# KiCad board frankenso.kicad_pcb (continued)
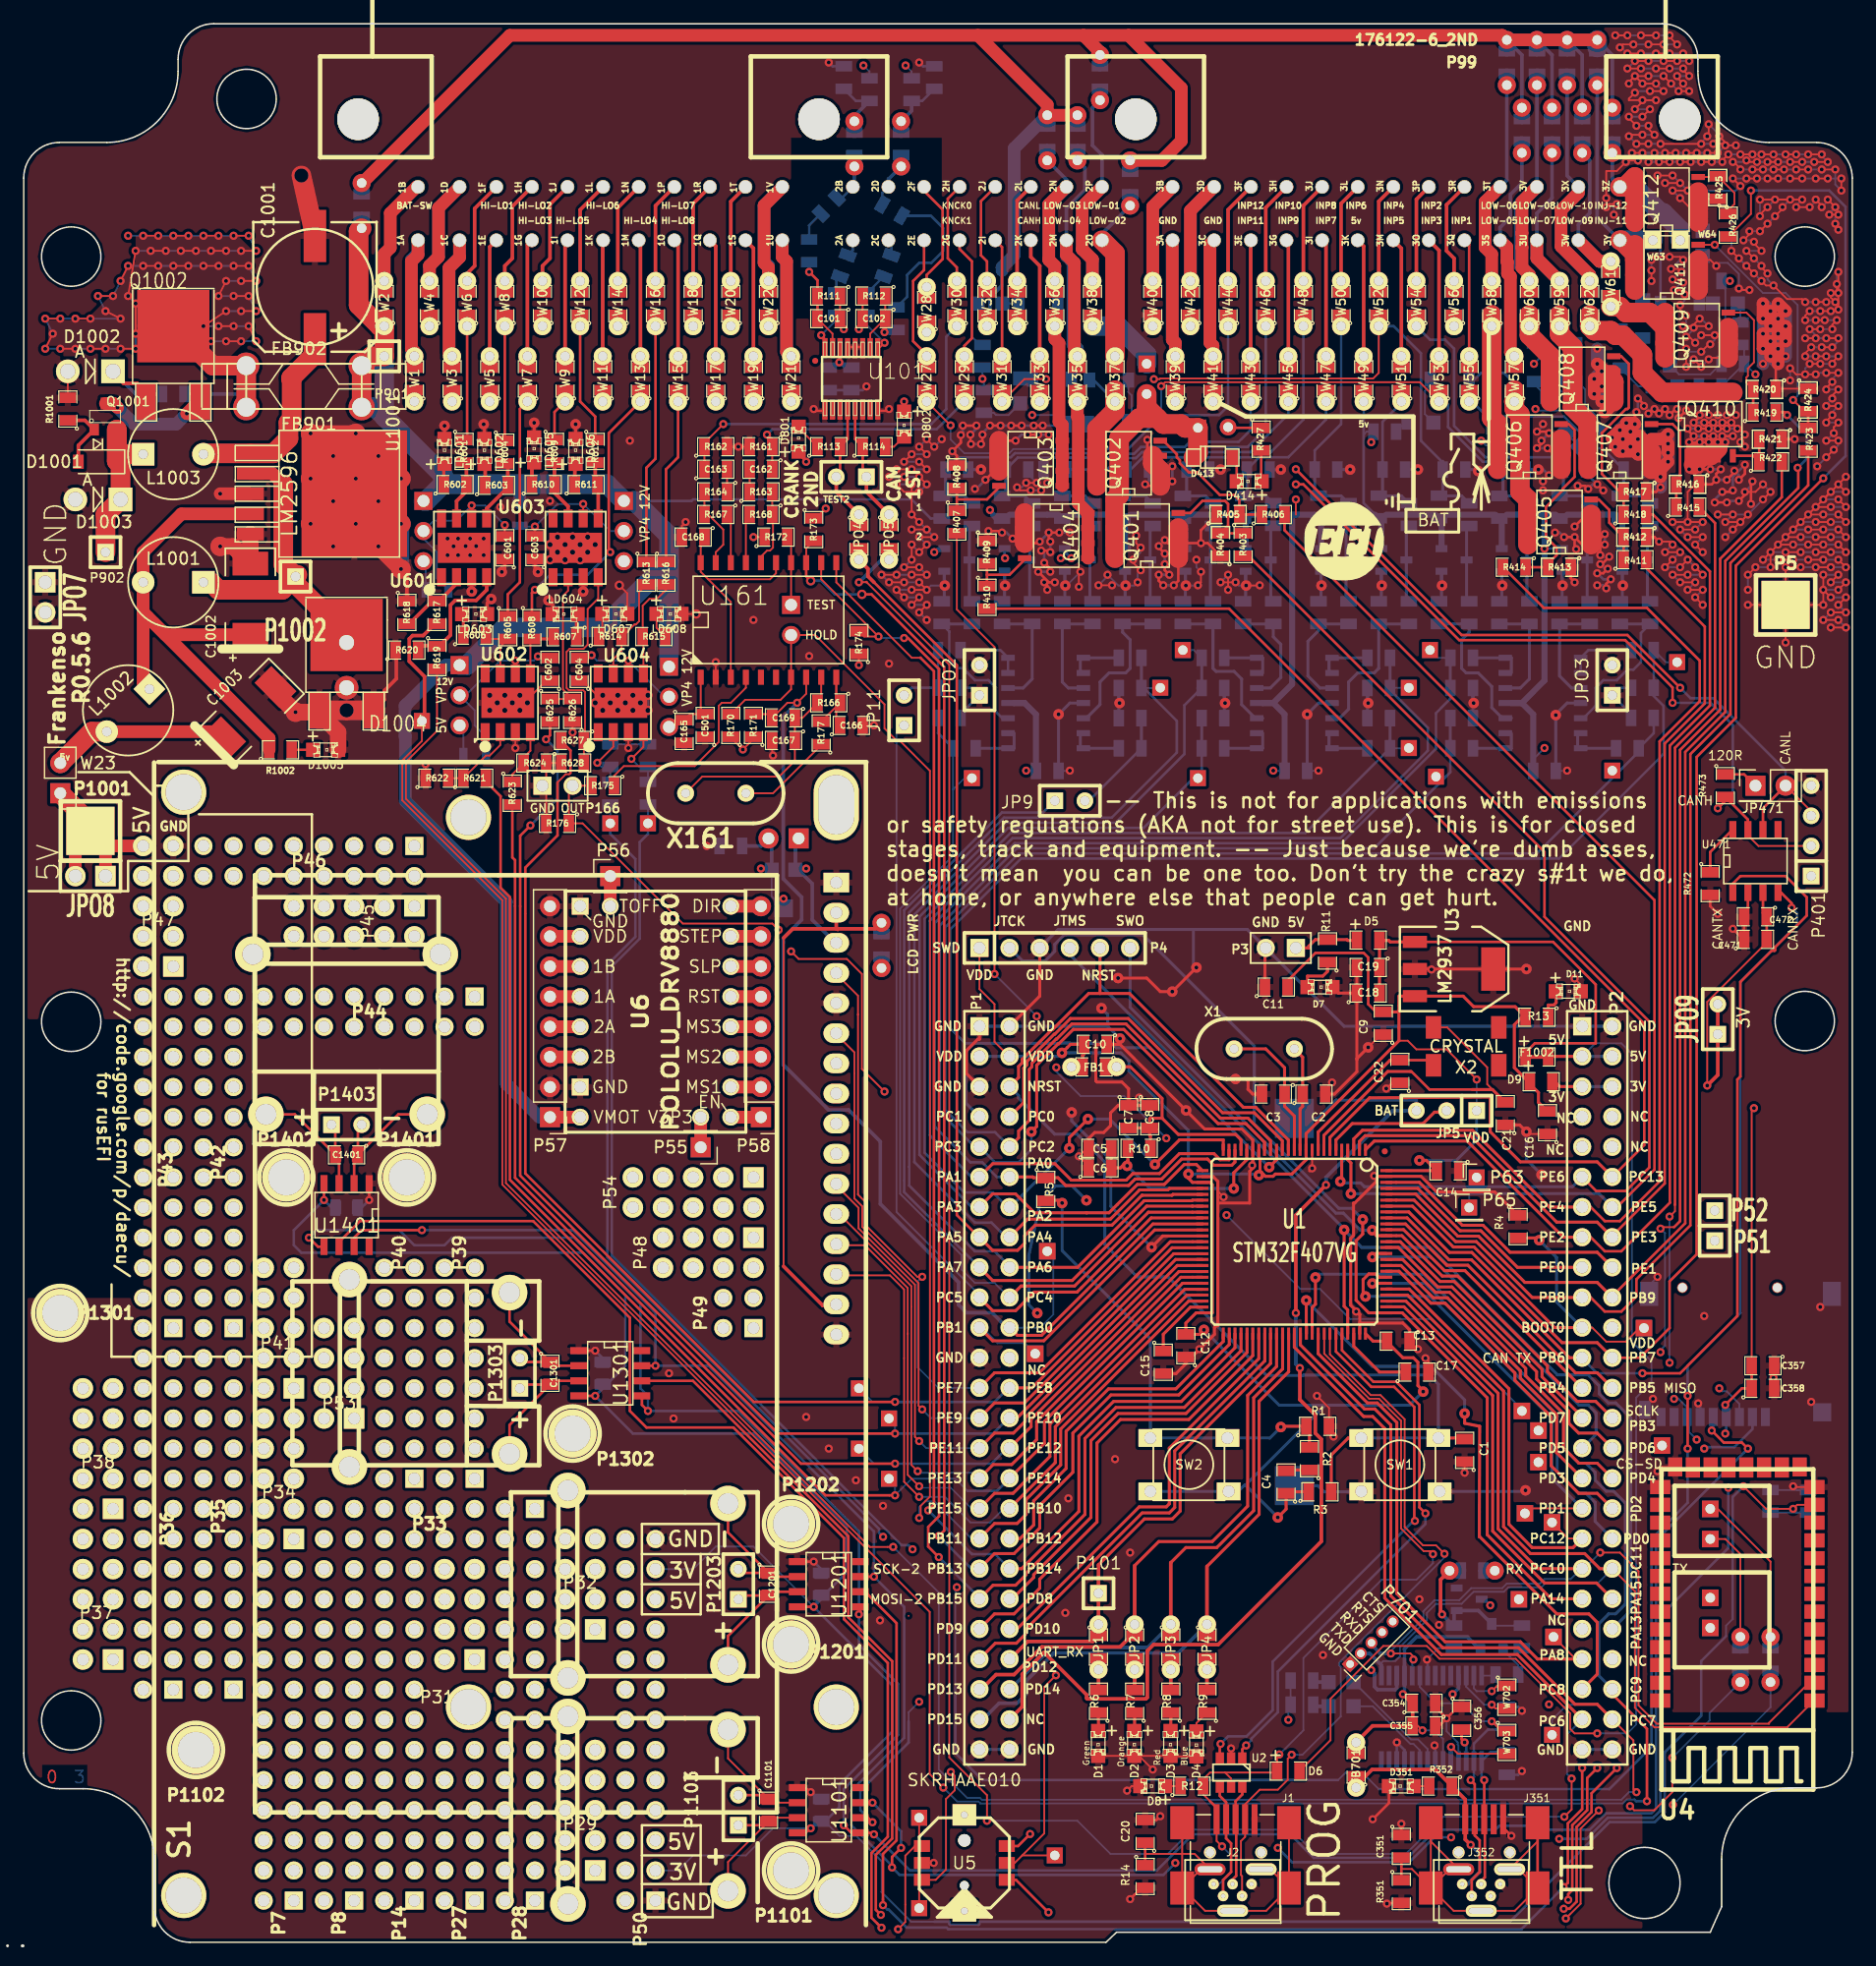
[diagram p0: board, top side]
## Routing (per net, layer and track width the routed paths; a pad name or vN(x,y) marks a point on that pad's centre or on a via; arc(x,y) is an arc through that point) (continued)
  Top w0.216: v2(130.72,118.45) 131.35,117.81 Q405.3 133.38,117.81 v2(133.26,117.81) ; v2(130.72,118.45) v2(129.83,118.45) ; v2(130.72,118.45) 130.72,117.56 v2(130.84,117.43) ; v2(130.72,114.64) 130.4,114.96 R413.1 ; v2(94.52,122.89) 94.65,122.77 Q402.3 96.43,122.77 v2(96.81,123.15) ; v2(137.96,123.53) 137.32,124.16 Q407.3 ; v2(137.96,122.64) 137.57,122.26 R417.1 ; v2(135.92,128.99) 135.8,128.86 v2(135.8,127.97) ; v2(136.05,130.13) 136.56,129.62 v2(136.56,129.5) ; v2(136.94,128.86) 137.32,129.24 v2(137.45,129.24) ; v2(137.83,128.86) 138.21,129.24 v2(138.34,129.24) ; v2(138.72,128.73) 139.23,129.24 v2(139.35,129.24) ; v2(139.48,128.48) v2(140.11,129.12) ; v2(140.37,126.45) 140.24,126.32 140.24,124.29 v2(140.37,124.16) ; v2(141.26,126.45) v2(142.02,126.45) ; v2(142.78,126.45) v2(143.42,126.45) ; v2(144.05,126.96) v2(143.16,126.96) ; v2(142.4,126.96) v2(141.64,126.96) ; v2(140.75,126.96) 140.24,127.46 v2(140.24,127.59) ; v2(141.13,127.59) v2(142.02,127.59) ; v2(142.78,127.59) v2(143.54,127.59) ; v2(143.16,128.1) v2(143.92,128.1) v2(144.43,127.59) 144.56,127.59 v2(145.07,127.08) ; v2(142.4,128.1) v2(141.64,128.1) ; v2(140.75,128.1) 141.26,128.61 v2(141.26,128.73) ; v2(142.02,128.73) v2(142.78,128.73) ; v2(143.54,128.73) v2(144.31,128.73) ; v2(145.07,126.07) v2(144.69,126.45) ; v2(141.26,124.16) v2(142.15,124.16) ; v2(143.04,124.16) 142.65,123.78 v2(142.65,123.27) 142.27,122.89 R416.1 ; v2(143.54,123.27) 144.18,123.91 v2(144.18,124.04) ; v2(144.56,123.27) 145.07,123.78 v2(145.07,124.54) ; v2(144.05,122.38) 143.92,122.26 v2(143.16,122.26) ; v2(142.53,121.37) v2(143.54,121.37) ; v2(144.56,121.5) 145.07,122 v2(145.07,122.26) ; v2(145.7,123.15) 145.58,123.02 v2(145.58,121.24) ; v2(133.26,118.7) 132.88,118.32 v2(132.88,116.92) ; v2(133.64,116.8) 133,116.16 v2(132.88,116.16) ; v2(133.51,115.78) 133.13,115.4 v2(132.62,115.4) ; v2(133.76,114.89) 133.38,114.51 v2(133.38,114.13) ; v2(131.86,122.51) 131.61,122.77 v2(130.97,122.77) ; v2(130.72,119.34) 131.73,120.35 Q405.3 ; v2(128.56,123.65) v2(128.05,123.15) ; v2(137.83,118.07) 137.45,118.45 R412.1 ; v2(128.43,125.94) 128.94,125.43 Q406.3 ; v2(127.54,125.94) 127.92,126.32 v2(127.92,126.58) ; v2(128.56,127.21) 128.43,127.34 v2(127.54,127.34) ; v2(83.35,118.32) 83.73,117.94 Q404.3 ; v2(82.46,118.83) 82.33,118.96 v2(81.31,118.96) ; v2(85.63,118.07) 85.5,117.94 Q404.3 ; v2(87.28,118.83) v2(86.39,118.83) 86.39,118.19 v2(86.52,118.07) ; v2(86.52,117.18) 86.39,117.3 v2(85.76,117.3) ; v2(86.01,116.29) 86.52,115.78 v2(86.52,115.53) ; v2(85.5,115.53) 86.39,114.64 v2(86.9,114.64) ; v2(86.01,114.64) 86.27,114.38 v2(86.27,114) ; v2(96.93,114.38) 97.32,114.76 Q401.3 ; v2(96.05,114.38) 95.66,114.76 v2(95.66,115.27) ; v2(96.55,115.27) 96.17,115.65 v2(96.17,116.16) ; v2(96.17,117.05) 95.66,117.56 v2(95.66,117.69) ; v2(96.17,118.19) 96.43,117.94 v2(99.22,117.94) ; v2(99.22,117.94) 99.79,117.94 R404.1 ; v2(99.22,117.94) 99.22,119.02 R405.1 ; v2(81.06,123.27) 81.82,124.04 82.33,124.04 82.33,126.58 v2(83.6,126.58) ; v2(84.62,127.08) v2(85.5,127.08) ; v2(85.89,127.85) v2(85.12,127.85) ; v2(84.11,127.85) v2(83.22,127.85) ; v2(82.33,127.85) v2(81.44,127.85) ; v2(80.3,127.85) v2(79.15,127.85) ; Q402.3 Q402.3 95.16,125.31 94.7,125.76 v2(94.7,126.65) ; Q404.3 Q404.3 ; v2(144.05,85.43) 144.94,84.54 C471.1 C472.2 145.32,86.76 U471.2 ; v2(95.79,10.62) 95.47,10.31 C20.2 ; v2(93.25,3.64) 94.2,4.59 R14.2 ; v2(119.92,18.88) 118.97,19.83 C354.2 ; v2(119.92,18.88) 120.87,19.83 C356.1 ; v2(119.92,18.88) 119.29,18.24 C355.1 ; v2(125.38,8.97) 124.7,9.66 J351.5 ; v2(72.93,129.24) 72.78,129.09 U101.8 ; v2(66.58,129.24) 66.73,129.09 U101.1 ; U101.11 U101.12 U101.13 ; v2(38.77,116.92) 38.15,117.54 U601.9 ; v2(37.63,116.92) v2(36.61,116.92) ; v2(35.72,116.92) 36.23,117.43 v2(36.23,117.67) ; v2(37.24,117.69) v2(38.13,117.69) ; v2(38.77,118.32) v2(37.63,118.32) ; v2(36.61,118.32) v2(35.72,118.32) ; v2(142.78,86.7) 142.15,87.33 R472.2 ; v2(113.7,10.37) 115.06,11.73 D351.2 ; v2(147.48,47.58) 147.54,47.65 C357.1 C358.2 ; v2(147.86,133.05) 147.67,132.86 R420.1 ; R408.1 78.65,125.31 v2(78.27,125.69) 78.98,126.4 v2(78.98,127.05) ; R421.1 v2(149.26,126.7) ; v2(128.05,127.97) 128.05,128.1 ; U1401.1 v2(29.12,62.57) ; v2(79.79,127.08) 79.79,126.34 v2(79.84,126.29) ; v2(80.81,127.08) 80.81,126.41 v2(80.68,126.29) ; U1201.1 v2(66.58,32.09) ; U1301.1 v2(48.17,49.87) ; Q401.3 Q401.3 ; v2(133.13,122.38) v2(132.62,122.89) ; C351.1 v2(116.11,9.99)
  Top w0.254: v1(87.22,103.51) 87.16,103.44 ; v1(108.17,103.51) 108.11,103.44 ; v1(129.13,103.44) 129.07,103.44 ; v1(98.84,82.17) v1(96.81,80.13) 95.79,80.13 94.65,81.28 v1(92.24,81.28) ; 92.4,75.69 v1(97.97,70.12) 99.54,68.55 102.67,68.55 103.59,67.64 U1.20 103.59,65.25 103.33,64.99 103.33,62.31 100.64,62.31 ; 92.4,75.69 v1(92.4,76.18) ; 92.4,75.69 C10.1 90.51,75.69 90.36,75.54 90.36,72.61 90.46,72.51 92.55,72.51 93.12,71.94 C7.1 ; 112.36,74.42 112.36,73.39 110.47,71.5 C2.2 ; 112.36,74.42 C18.1 ; 112.36,74.42 112.36,74.48 v1(113.32,75.44) ; D7.2 110.81,80.01 C18.1 ; P3.2 104.62,83.75 C11.1 ; v1(126.65,68.32) 126.08,68.89 C21.1 ; C15.2 97.12,47.94 97.95,48.77 C12.1 98.46,49.34 100.36,51.24 100.36,51.81 100.64,52.09 ; C13.1 116.81,51.62 116.23,52.2 112.61,52.2 ; 100.64,52.09 100.64,51.97 ; 100.64,52.09 100.64,62.31 ; v1(40.29,115.51) 40.55,115.77 C601.1 ; v1(43.34,115.51) 43.09,115.77 43.09,116.59 ; v1(44.23,113.1) 44.58,112.75 LD604.2 ; v1(39.4,113.23) 39.06,112.88 LD603.2 ; v1(38.77,127.96) 38.83,127.89 LD602.2 ; 35.21,117.54 35.34,117.67 36.99,117.67 U601.9 39.02,117.54 ; U603.9 48.42,117.54 ; C7.1 92.24,70.55 91.6,69.91 91.6,68.83 91.03,68.26 90.27,68.26 89.76,67.75 C5.1 ; C7.1 C8.1 ; v1(88.32,69.95) 88.16,69.78 ; v1(95.06,58.59) 96,59.53 U1.37 ; 100.64,62.31 100.64,64.15 100.25,64.54 U1.27 ; 112.61,52.2 112.61,52.94 111.84,53.7 111.84,59.33 112.08,59.57 112.08,62.31 112.19,62.31 114,64.13 114,64.56 U1.99 117.77,64.56 119.08,63.25 123.98,63.25 R4.1 ; 112.61,52.2 U1.74 ; P1.1 80.55,76.12 80.41,76.12 79.46,75.16 79.46,73.23 P1.5 ; 85.63,83.82 85.63,79.75 P1.2 ; C18.1 C19.2 ; v1(102.14,72.77) 103.19,72.77 103.19,71.9 103.59,71.5 C3.2 ; LD601.2 v1(35.47,127.83) ; LD605.2 v1(43.02,128.08) ; U603.3 v1(47.15,113.86) ; U601.3 v1(37.75,113.86) ; v1(126.65,82.04) U3.4 U3.2 ; LD606.2 v1(46.52,127.96) ; 108.38,65.03 v2(108.59,65.24)
  Top w0.305: v4(31.8,115.76) 32.29,115.26 R618.1 ; 30.01,104.35 D1004.3 30.39,104.73 30.39,105.49 31.4,106.51 31.4,108.86 R620.1 ; v2(91.98,40.72) 92.11,40.72
  Top w1.067: v2(148.5,134.96) v2(148.5,136.23) ; v2(148.5,137.5) v2(147.86,138.13) ; v2(147.86,136.86) v2(147.86,135.59) ; v2(147.86,134.32) v2(147.86,133.05) ; v2(147.23,133.69) v2(147.23,134.96) ; v2(147.23,136.23) v2(147.23,137.5) ; v2(146.59,138.13) v2(146.59,136.86) ; v2(146.59,135.59) v2(146.59,134.32) ; v2(133,131.15) v2(133,132.42) ; v2(132.37,131.78) v2(132.37,130.51) ; v2(132.62,133.05) 133.26,132.42 Q408.3 ; v2(133.26,128.99) 134.02,129.75 Q408.3 v2(133,129.88) ; v2(136.05,126.7) v2(135.42,126.07) ; v2(134.78,126.7) v2(135.42,127.34) ; v2(135.8,127.97) 135.7,128.07 v2(135.07,128.07) ; v2(134.53,127.46) 133.89,126.83 v2(133.87,126.83) ; v2(134.14,126.06) 134.51,125.69 v2(134.78,125.69) 135.8,125.69 v2(136.05,125.43) Q407.3 ; v2(138.59,127.12) 138.18,126.7 Q407.3 ; v2(138.59,126.32) v2(138.59,125.56) ; v2(138.59,124.8) 137.96,124.16 v2(137.96,123.53) ; U1001.3 v2(16.56,122.11)
  Top w1.382: U1001.5 C1002.2 17.65,117.66 v4(16.56,117.66) ; v4(29.89,125.28) v4(31.8,123.38) ; v4(29.89,121.47) v4(31.8,119.57) ; v4(31.8,115.76) v4(29.89,117.66) ; v4(27.99,119.57) v4(26.08,117.66) ; v4(24.18,119.57) v4(26.08,121.47) ; v4(27.99,123.38) v4(26.08,125.28) ; v4(27.99,127.19) v4(24.18,127.19) ; v4(24.18,123.38) U1001.3 ; v4(22.91,103.69) 21.22,105.38 C1003.2 ; v4(22.91,103.69) 24.81,103.69 26.5,102.01 D1005.2 ; v4(22.91,103.69) 23.8,103.69
  Top w1.651: 133.76,131.78 134.02,131.53 Q408.3 ; v2(136.05,126.7) 137.19,125.56 Q407.3 ; 140.88,125.69 141.26,125.31 141.51,125.31 ; 142.78,125.94 142.15,125.31 141.51,125.31 ; Q405.3 Q405.3 Q405.3 ; Q406.3 Q406.3 Q406.3 ; Q401.3 Q401.3 Q401.3 ; 95.16,125.31 95.16,124.67 Q402.3 Q402.3 ; Q403.3 Q403.3 Q403.3 ; Q404.3 Q404.3 Q404.3 ; Q412.3 Q412.3 Q412.3 ; Q411.3 Q411.3 Q411.3 ; Q409.3 Q409.3 Q409.3 ; 29.75,120.22 U1001.3 ; D1004.3 v5(27.21,103.84) D1004.1 ; 141.51,125.31 140.75,124.54 ; C1001.2 v5(23.4,148.93)
  GND w0.152: v2(61.5,111.46) 60.99,111.97 v3(56.68,111.97) 58.83,111.97 62.39,108.41 v2(66.2,108.41) ; v2(141.64,52.79) 146.85,47.58 v2(147.48,47.58) ; v2(54.39,47.96) 54.77,47.58 v2(54.77,44.15) 54.9,44.28 v2(65.95,44.28) 67.85,42.37 v2(67.85,41.61) 70.14,39.33 v2(70.14,38.95) 72.3,36.79 v2(72.42,36.79) 67.72,32.09 v2(66.58,32.09) 67.22,32.09 v2(72.17,27.13) ; v2(51.09,126.58) 49.71,127.96 v1(46.52,127.96) ; JPO2.2 73.06,107.65
  GND w0.305: v2(44.36,121.5) 44.99,120.86 v3(44.99,118.45) ; v2(40.17,120.99) 38.77,119.59 v2(38.77,118.32) ; v2(119.29,26.75) 118.27,25.74 v2(118.27,23.83) 118.27,28.28 v2(117.64,28.91) 114.21,28.91 v2(109.51,24.21) ; v2(91.98,40.72) 91.47,41.23 91.47,43.9 97.57,49.99 v2(99.09,49.99) ; v2(91.98,40.72) 91.98,35.14 93.25,33.87 v2(93.25,32.85) ; v2(91.98,40.72) 91.35,40.72 v2(88.04,37.42) 88.04,28.02 v2(87.79,27.77)
  GND w1.067: 73.06,107.65 v2(72.93,107.78)
  Bottom w0.152: v2(84.49,123.02) 84.11,122.64 v2(83.73,122.64) ; v2(84.87,122.38) v2(85.76,122.38) ; v2(88.17,98.76) 88.15,98.74 C291.1 ; v2(130.08,98.76) 130.06,98.74 C211.2 ; v2(109.13,98.76) 109.11,98.74 C251.2 ; v2(149.13,38.44) 149.45,38.12 C24.2 C23.2 ; v2(66.33,12.66) 66.9,12.09 C1102.2 ; v2(118.27,23.83) 119.22,24.79 C702.2 ; v2(119.92,18.88) 119.92,17.79 120.86,16.85 120.86,16.64 120.93,16.58 U351.18 ; v2(110.27,72.47) 110.27,72.6 ; v2(130.72,81.24) 130.72,81.36 ; v2(108.59,65.24) 108.6,65.23 108.62,65.23 ; v2(142.02,133.43) v2(141.38,132.8) ; v2(140.75,133.43) v2(140.11,132.8) ; v2(140.11,134.32) 140.37,134.07 v2(141.38,134.07) ; v2(142.15,134.7) 142.53,135.08 v2(142.53,135.47) ; v2(141.38,135.47) 140.88,134.96 v2(140.88,134.83) ; v2(140.11,135.34) 140.75,135.97 v2(140.75,136.1) ; v2(142.02,136.23) 141.38,136.86 v2(141.26,136.86) ; v2(139.86,136.23) 140.11,136.48 v2(140.11,137.12) ; v2(139.61,138.01) 139.99,138.39 v2(139.99,138.89) ; v2(139.1,139.28) 139.73,139.91 v2(139.86,139.91) ; v2(138.97,140.16) 139.61,140.8 v2(139.73,140.8) ; v2(138.84,141.05) 139.61,141.82 v2(139.86,141.82) ; v2(142.65,141.31) 142.91,141.56 143.62,141.56 144.56,140.62 v2(144.56,139.4) ; v2(139.61,147.02) v2(138.97,147.66) ; v2(140.24,147.66) v2(139.61,148.29) ; v2(140.24,147.66) 144.31,147.66 v2(144.69,148.04) ; v2(140.24,147.66) 141.77,147.66 143.92,145.5 v2(143.92,142.58) ; v2(139.61,148.29) v2(138.34,148.29) ; v2(139.61,148.29) v2(138.97,148.93) ; v2(144.56,141.94) v2(145.19,141.31) ; v2(145.83,140.67) v2(146.46,140.04) ; v2(147.48,139.66) 146.97,140.16 v2(146.97,140.67) ; v2(146.46,141.31) v2(145.83,141.94) ; v2(145.19,142.58) v2(146.46,142.58) ; v2(145.83,143.34) 145.7,143.47 v2(144.94,143.47) ; v2(145.45,144.23) v2(146.34,144.23) ; v2(146.97,144.86) v2(147.61,145.5) ; v2(148.24,146.26) v2(148.88,146.9) ; v2(147.61,146.9) v2(146.97,146.26) ; v2(146.34,145.5) v2(146.34,146.9) ; v2(149.89,146.9) 149.39,146.39 v2(149.39,146.26) ; v2(150.53,146.26) 151.04,146.77 v2(151.04,146.9) ; v2(151.54,146.26) 152.05,146.77 v2(152.05,146.9) ; v2(152.69,146.26) 152.18,145.75 v2(152.18,145.63) ; v2(144.05,148.67) v2(145.19,148.67) ; v2(146.08,148.67) v2(147.86,148.67) ; v2(146.97,148.67) v2(148.88,148.67) ; v2(149.89,148.67) v2(151.04,148.67) ; v2(152.05,148.67) v2(153.2,148.67) ; v2(153.2,147.66) 152.69,148.17 v2(152.69,149.44) ; v2(151.54,149.44) v2(150.4,149.44) ; v2(149.39,149.44) v2(148.37,149.44) ; v2(147.48,149.44) v2(146.59,149.44) ; v2(145.7,149.44) v2(144.69,149.44) ; v2(145.19,150.2) 145.07,150.07 v2(144.05,150.07) ; v2(146.08,150.07) v2(146.97,150.07) ; v2(147.86,150.07) v2(148.88,150.07) ; v2(149.89,150.07) v2(150.91,150.07) ; v2(152.05,150.07) 151.54,150.58 v2(151.54,150.71) ; v2(150.4,150.71) v2(149.39,150.71) ; v2(148.5,150.71) v2(147.48,150.71) ; v2(146.46,150.71) v2(145.7,150.71) ; v2(144.69,150.71) v2(143.67,150.71) ; v2(143.16,150.07) v2(142.27,150.07) ; v2(141.38,150.07) v2(140.5,150.07) ; v2(139.61,150.07) v2(138.72,150.07) ; v2(137.83,150.07) v2(136.94,150.07) ; v2(137.45,150.83) v2(136.43,150.83) ; v2(135.54,150.83) 135.03,150.32 v2(135.03,150.07) ; v2(136.05,150.2) 136.69,150.83 v2(138.34,150.83) ; v2(139.23,150.83) v2(140.11,150.83) ; v2(141,150.83) v2(141.89,150.83) ; v2(142.78,150.83) v2(143.42,151.47) ; v2(142.4,151.59) v2(141.38,151.59) 141.38,151.72 v2(141.89,152.23) ; v2(137.96,151.59) v2(136.94,151.59) ; v2(135.92,151.59) v2(135.29,152.23) ; v2(136.43,152.36) v2(137.45,152.36) ; v2(136.94,153.12) v2(135.92,153.12) ; v2(135.29,153.88) v2(136.43,153.88) ; v2(137.07,154.52) v2(135.8,154.52) ; v2(136.43,155.28) v2(137.57,155.28) ; v2(135.8,155.91) 135.92,156.04 v2(137.07,156.04) ; v2(138.21,156.04) v2(137.57,156.67) ; v2(136.94,157.31) v2(138.21,157.31) ; v2(138.84,156.67) v2(139.48,156.04) ; v2(140.37,156.04) 139.86,156.55 v2(139.86,156.67) ; v2(139.35,157.31) v2(140.37,157.31) ; v2(139.86,157.94) v2(138.72,157.94) ; v2(137.57,157.94) v2(136.3,157.94) ; v2(135.16,157.94) v2(135.8,158.58) ; v2(136.94,158.58) v2(138.21,158.58) ; v2(139.35,158.58) v2(140.37,158.58) ; v2(139.86,159.21) v2(138.72,159.21) ; v2(137.57,159.21) v2(136.3,159.21) ; v2(135.16,159.21) 134.65,159.72 v2(134.53,159.72) ; v2(135.67,159.98) v2(136.94,159.98) ; v2(138.21,159.98) v2(139.35,159.98) ; v2(138.72,160.74) v2(137.57,160.74) ; v2(136.3,160.74) v2(135.16,160.74) ; v2(142.02,153.25) 142.91,152.36 v2(142.91,152.23) ; v2(150.15,138.26) v2(151.04,138.26) ; v2(151.93,138.26) v2(152.69,138.26) ; v2(151.42,137.5) v2(150.53,137.5) ; v2(150.15,136.74) v2(151.04,136.74) ; v2(151.8,136.74) v2(152.81,136.74) ; v2(152.43,135.97) v2(151.42,135.97) ; v2(150.53,135.97) 151.04,135.47 v2(151.04,135.21) ; v2(150.15,135.21) v2(151.93,135.21) ; v2(151.54,134.45) v2(150.66,134.45) ; v2(150.15,133.69) v2(151.04,133.69) ; v2(151.93,133.69) v2(152.94,133.69) ; v2(152.43,133.05) v2(151.42,133.05) ; v2(150.53,133.05) 150.15,132.67 v2(150.15,132.16) ; v2(151.04,132.16) 151.16,132.29 v2(151.93,132.29) ; v2(152.94,132.29) 152.43,131.78 v2(152.43,131.53) ; v2(151.93,130.89) v2(152.94,130.89) ; v2(152.43,130.13) 151.93,129.62 v2(151.93,129.5) ; v2(152.94,129.5) 152.43,128.99 v2(152.43,128.73) ; v2(152.56,127.21) v2(151.93,126.58) ; v2(151.93,125.18) v2(151.16,124.42) ; v2(148.88,132.67) v2(148.88,131.66) ; v2(137.19,141.82) v2(137.19,140.93) ; v2(133.38,147.02) v2(133.38,146.26) ; v2(134.27,146.51) 134.02,146.26 v2(134.02,145.63) ; v2(146.59,122.89) v2(147.23,122.26) ; v2(146.59,121.62) v2(145.32,120.35) ; v2(145.32,120.35) v2(142.78,120.35) ; v2(145.32,120.35) v2(144.69,119.72) ; v2(144.05,120.35) v2(143.42,119.72) ; v2(144.05,119.08) v2(143.42,118.45) ; v2(138.97,119.72) v2(140.24,119.72) ; v2(141.51,119.72) v2(140.88,119.08) ; v2(139.61,119.08) v2(140.24,118.45) ; v2(141.51,118.45) v2(140.88,117.81) ; v2(138.97,117.81) v2(138.34,117.18) ; v2(139.61,117.18) v2(138.97,116.54) ; v2(138.34,115.91) v2(139.61,115.91) ; v2(140.24,116.54) v2(140.88,115.91) ; v2(141.51,115.27) v2(140.24,115.27) ; v2(138.97,115.27) v2(139.61,114.64) ; v2(140.88,114.64) v2(140.24,114) ; v2(141.51,114) v2(140.88,113.37) ; v2(149.77,115.91) v2(151.04,115.91) ; v2(152.31,115.91) v2(153.58,115.91) ; v2(152.94,116.54) v2(151.67,116.54) ; v2(150.4,116.54) v2(149.13,116.54) ; v2(147.86,116.54) v2(146.59,116.54) ; v2(147.23,117.18) v2(148.5,117.18) ; v2(149.77,117.18) v2(151.04,117.18) ; v2(152.31,117.18) v2(153.58,117.18) ; v2(152.94,117.81) v2(151.67,117.81) ; v2(150.4,117.81) v2(149.13,117.81) ; v2(147.86,117.81) v2(148.5,118.45) ; v2(149.77,118.45) v2(151.04,118.45) ; v2(152.31,118.45) v2(153.58,118.45) ; v2(152.94,119.08) v2(151.67,119.08) ; v2(150.4,119.08) v2(149.13,119.08) ; v2(149.77,119.72) v2(151.04,119.72) ; v2(152.31,119.72) v2(153.58,119.72) ; v2(152.94,120.35) v2(151.67,120.35) ; v2(150.4,120.35) v2(151.04,120.99) ; v2(152.31,120.99) v2(153.58,120.99) ; v2(152.94,121.62) v2(151.67,121.62) ; v2(152.31,122.26) v2(153.58,122.26) ; v2(152.94,122.89) v2(153.58,123.53) ; v2(147.23,115.91) v2(145.96,115.91) ; v2(145.32,115.27) v2(145.32,114) ; v2(151.67,115.27) v2(152.94,115.27) ; v2(152.31,114.64) v2(153.58,114.64) ; v2(152.94,114) v2(151.67,114) ; v2(152.31,113.37) v2(153.58,113.37) ; v2(152.94,112.73) v2(153.58,112.1) ; v2(152.31,112.1) v2(151.67,111.46) ; v2(152.94,111.46) v2(153.58,110.83) ; v2(102.14,114.64) 102.42,114.36 v1(103.03,114.36) ; v2(100.87,114.64) v2(101.51,115.27) ; v2(90.58,114.38) 91.35,115.15 v2(91.35,115.27) 92.26,114.36 v1(92.87,114.36) 93.61,114.36 v2(93.89,114.64) 93.89,115.4 v2(94.14,115.65) ; v2(89.06,115.53) 87.9,114.36 v1(87.79,114.36) ; v2(93.51,116.54) 94.14,117.18 v2(94.14,117.56) ; v2(98.97,114.38) 98.95,114.36 v1(97.95,114.36) ; v2(99.22,115.53) 98.84,115.91 v2(98.84,116.54) ; v2(76.11,114) 76.47,114.36 v1(77.63,114.36) ; v2(74.84,114) v2(73.57,114) ; v2(74.2,113.37) v2(75.47,113.37) ; v2(74.84,112.73) v2(76.11,112.73) ; v2(75.47,112.1) v2(76.11,111.46) ; v2(75.47,114.64) v2(74.2,114.64) ; v2(72.93,114.64) v2(72.3,115.27) ; v2(73.57,115.27) v2(74.84,115.27) ; v2(76.11,115.27) v2(75.47,115.91) ; v2(74.2,115.91) v2(74.84,116.54) ; v2(74.84,117.81) v2(75.47,117.18) ; v2(76.11,117.81) v2(75.47,118.45) ; v2(76.74,118.45) v2(76.11,119.08) ; v2(76.11,119.08) v2(74.84,119.08) ; v2(76.11,119.08) v2(75.47,119.72) ; v2(74.84,122.89) v2(73.57,122.89) ; v2(75.47,122.26) v2(76.11,122.89) ; v2(75.47,123.53) v2(74.2,123.53) ; v2(72.93,123.53) v2(73.57,124.16) ; v2(74.84,124.16) v2(76.11,124.16) ; v2(75.47,124.8) v2(74.2,124.8) ; v2(74.84,125.43) v2(76.11,125.43) ; v2(75.47,126.07) v2(76.11,126.7) ; v2(76.74,126.07) v2(77.38,126.7) ; v3(39.28,105.11) v3(40.55,105.11) ; v3(41.82,105.11) v3(42.45,104.48) v3(41.82,103.84) ; v3(41.18,104.48) v3(39.91,104.48) ; v3(48.8,105.11) v3(50.07,105.11) ; v3(51.34,105.11) v3(51.98,104.48) ; v3(50.71,104.48) v3(49.44,104.48) ; v3(48.17,104.48) v3(48.8,103.84) ; v3(50.07,103.84) v3(51.34,103.84) ; v3(52.61,103.84) v3(52.61,105.11) ; v3(44.99,118.45) v3(46.26,118.45) ; v3(47.53,118.45) v3(48.17,117.81) ; v3(46.9,117.81) v3(45.63,117.81) ; v3(44.36,117.81) v3(44.99,117.18) ; v3(46.26,117.18) v3(47.53,117.18) ; v3(46.9,116.54) v3(45.63,116.54) ; v3(40.55,103.84) v3(39.28,103.84) ; v2(137.7,56.09) 137,55.39 P352.G2 ; v2(46.26,101.99) 46.29,101.99 ; v2(136.43,156.67) v2(135.8,157.31) ; v2(151.93,128.1) v2(152.95,128.1) ; v2(152.95,140.8) 152.81,140.67 v2(152.81,139.78) ; v2(152.43,134.45) 152.95,134.96 v2(152.95,135.21) ; R99.1 v2(57.56,92.41) ; v2(152.56,125.81) 152.95,126.2 v2(152.95,126.58) ; P5.1 v2(151.67,112.73) ; P5.1 v2(145.32,112.73) ; P5.1 v2(148.5,115.91) ; P5.1 v2(148.5,109.56) ; v2(152.95,145.63) 152.69,145.37 v2(152.69,144.86) ; R301.2 85.95,123.59 v2(85.38,123.02) 84.68,123.72 R311.2 ; v2(152.31,139.02) v2(152.95,139.02) ; v2(152.31,137.5) 152.82,137.5 v2(152.95,137.62) ; R630.1 50.64,100.99 v2(50.96,100.67) 51.28,100.99 R632.1
  Bottom w0.216: v2(94.52,122.89) 94.84,123.21 R291.2 ; v2(137.96,123.53) 137.34,124.14 R211.2 ; v2(135.92,128.99) 136.05,129.12 v2(136.05,130.13) ; v2(136.56,129.5) 136.94,129.12 v2(136.94,128.86) ; v2(137.45,129.24) v2(137.83,128.86) ; v2(138.34,129.24) 138.72,128.86 v2(138.72,128.73) ; v2(139.35,129.24) 139.48,129.12 v2(139.48,128.48) ; v2(140.11,129.12) 140.24,129.12 ; v2(140.37,126.45) v2(141.26,126.45) ; v2(142.02,126.45) v2(142.78,126.45) ; v2(143.42,126.45) 143.92,126.96 v2(144.05,126.96) ; v2(143.16,126.96) v2(142.4,126.96) ; v2(141.64,126.96) v2(140.75,126.96) ; v2(140.24,127.59) v2(141.13,127.59) ; v2(142.02,127.59) v2(142.78,127.59) ; v2(143.54,127.59) v2(144.43,127.59) ; v2(143.16,128.1) v2(142.4,128.1) ; v2(141.64,128.1) v2(140.75,128.1) ; v2(141.26,128.73) v2(142.02,128.73) ; v2(142.78,128.73) v2(143.54,128.73) ; v2(145.07,127.08) 144.69,126.7 v2(144.69,126.45) ; v2(140.37,124.16) v2(141.26,124.16) ; v2(142.15,124.16) v2(143.04,124.16) ; v2(142.65,123.27) v2(143.54,123.27) ; v2(144.18,124.04) 144.56,123.65 v2(144.56,123.27) ; v2(145.07,124.54) 144.05,123.53 v2(144.05,122.38) ; v2(143.16,122.26) 142.53,121.62 v2(142.53,121.37) ; v2(143.54,121.37) 143.67,121.5 v2(144.56,121.5) ; v2(145.07,122.26) 145.7,122.89 v2(145.7,123.15) ; v2(133.26,117.81) v2(133.26,118.7) ; v2(132.88,116.92) 133,116.8 v2(133.64,116.8) ; v2(132.88,116.16) 133.26,115.78 v2(133.51,115.78) ; v2(132.62,115.4) 133.13,114.89 v2(133.76,114.89) ; v2(133.38,114.13) 133.13,114.38 v2(132.62,114.38) ; v2(129.83,118.45) 129.45,118.83 v2(129.07,118.83) ; v2(131.86,122.51) 132.24,122.89 v2(132.62,122.89) 131.67,123.85 R221.2 ; v2(128.56,123.65) 128.07,124.14 v1(127.67,124.14) ; v2(128.05,123.15) v2(128.05,122.38) ; v2(128.43,125.94) v2(127.54,125.94) ; v2(127.92,126.58) v2(128.56,127.21) ; v2(127.54,127.34) 128.05,127.85 v2(128.05,127.97) ; v2(83.35,118.32) 82.84,118.83 v2(82.46,118.83) ; v2(85.63,118.07) v2(86.39,118.83) ; v2(87.28,118.83) v2(88.17,118.83) ; v2(86.52,118.07) v2(86.52,117.18) ; v2(85.76,117.3) 86.01,117.05 v2(86.01,116.29) ; v2(86.52,115.53) v2(85.5,115.53) ; v2(86.9,114.64) v2(86.01,114.64) ; v2(96.93,114.38) v2(96.05,114.38) ; v2(95.66,115.27) v2(96.55,115.27) ; v2(96.17,116.16) v2(96.17,117.05) ; v2(95.66,117.69) v2(96.17,118.19) ; v2(96.81,123.15) v2(96.81,124.42) ; v2(81.06,123.27) 80.3,122.51 v2(80.17,122.51) ; v2(83.6,126.58) 84.11,127.08 v2(84.62,127.08) ; v2(85.5,127.08) v2(86.39,127.08) ; 87.03,127.85 v2(85.89,127.85) ; v2(85.12,127.85) v2(84.11,127.85) ; v2(83.22,127.85) v2(82.33,127.85) ; v2(81.44,127.85) 80.81,127.21 v2(80.81,127.08) ; v2(79.79,127.08) 80.3,127.59 v2(80.3,127.85) ; v2(118.91,16.59) 118.98,16.52 U351.21 ; v2(118.27,23.83) 118.33,23.78 U351.7 ; v2(71.03,131.15) 70.71,130.83 C103.1 C104.2 ; v2(38.77,116.92) v2(37.63,116.92) ; v2(36.61,116.92) v2(35.72,116.92) ; v2(36.23,117.67) 36.24,117.69 v2(37.24,117.69) ; v2(38.13,117.69) v2(38.77,118.32) ; v2(37.63,118.32) v2(36.61,118.32) ; v2(126.27,14.43) 125.95,14.12 C353.1 ; v2(126.27,19.51) 125.95,19.83 C352.1 ; v2(150.66,45.55) 151.53,44.67 P352.G4 ; v2(137.32,45.8) 136.65,45.14 P352.G1 ; v2(151.42,53.55) 152.4,54.53 P352.G3 ; v2(141.13,45.42) 141.3,45.25 P352.6 ; v2(48.17,49.87) 48.8,49.23 C1302.2 ; v2(66.58,32.09) 67.22,31.45 C1202.2 ; v2(29.12,62.57) 28.48,61.93 C1402.2 ; v2(67.85,158.45) 68.17,158.14 R801.1 ; v2(75.47,158.45) 75.79,158.14 R802.1 ; v2(78.98,127.05) 79.15,127.22 v2(79.15,127.85) ; R315.2 79.92,105.75 JPO2.1 78.96,103.53 R325.2 ; R225.2 134.53,105.75 JPO3.1 135.48,103.53 R215.2 ; U351.25 116.38,16.2 v2(115.73,16.85) 115.73,16.84 U351.26 ; v2(80.68,126.29) v2(79.84,126.29)
  Bottom w0.254: 110.02,104.46 109.13,104.46 v1(108.17,103.51) C251.2 ; 89.06,104.46 88.17,104.46 v1(87.22,103.51) C291.1 ; 130.97,104.46 130.08,104.46 129.13,103.51 v1(129.13,103.44) C211.2 ; C210.1 134.74,113.24 D210.1 134.74,114.4 v1(134.78,114.36) ; C220.1 129.66,113.24 D220.1 129.66,114.4 v1(129.7,114.36) ; v1(122.21,104.46) 122.14,104.52 R235.2 R245.2 ; v1(113.32,104.46) 113.25,104.52 R265.2 R255.2 ; v1(101.25,104.46) 101.19,104.52 R275.2 R285.2 ; C230.1 124.58,113.24 D230.1 124.58,114.4 v1(124.62,114.36) ; C240.1 119.5,113.24 D240.1 119.5,114.4 v1(119.54,114.36) ; C250.1 114.42,113.24 D250.1 114.42,114.4 v1(114.46,114.36) ; C260.1 109.34,113.24 D260.1 109.34,114.4 v1(109.38,114.36) ; C270.1 102.99,113.24 D270.1 102.99,114.4 v1(103.03,114.36) ; C280.1 97.91,113.24 D280.1 97.91,114.4 v1(97.95,114.36) ; C290.1 92.83,113.24 D290.1 92.83,114.4 v1(92.87,114.36) ; C300.1 87.75,113.24 D300.1 87.75,114.4 v1(87.79,114.36) ; C310.1 82.67,113.24 D310.1 82.67,114.4 v1(82.71,114.36) ; C320.1 77.59,113.24 D320.1 77.59,114.4 v1(77.63,114.36) ; v1(92.36,104.46) 92.3,104.52 R305.2 R295.2 ; v1(122.59,124.02) 122.46,124.14 R241.2 ; 98.59,85.37 87.19,85.37 85.63,83.82 ; 98.59,85.37 98.59,82.42 v1(98.84,82.17) ; 98.59,85.37 103.13,85.37 P3.2 111.29,77.21 P2.2 ; v1(90.84,78.74) 91.36,78.21 91.36,77.21 ; v1(97.97,70.12) 97.95,70.1 ; v1(127.92,64.7) 126.65,65.97 v1(126.65,68.32) ; v1(95.06,58.59) 91.63,62.02 91.63,65.94 88.32,69.24 v1(88.32,69.95) ; v1(126.58,38.1) 126.49,38.01 SW1.2 ; P2.50 131.35,16.25 ; R231.2 v1(127.67,124.14) ; R251.2 v1(117.51,124.14) ; R271.2 v1(105.95,124.14) ; 91.36,77.21 P1.2 P1.1 ; 91.36,77.21 v1(92.4,76.18) ; 112.68,37.97 109.59,37.97 109.07,38.49 BT1.2 ; R261.2 v1(111.79,124.14) ; P1.50 P1.49 ; R321.2 v1(80.68,124.14) ; R281.2 v1(100.87,124.14)
  Bottom w1.067: v2(148.5,133.69) v2(148.5,134.96) ; v2(148.5,136.23) v2(148.5,137.5) ; v2(147.86,138.13) v2(147.86,136.86) ; v2(147.86,135.59) v2(147.86,134.32) ; v2(147.86,133.05) v2(147.23,133.69) ; v2(147.23,134.96) v2(147.23,136.23) ; v2(147.23,137.5) v2(146.59,138.13) ; v2(146.59,136.86) v2(146.59,135.59) ; v2(146.59,134.32) v2(146.59,133.05) ; v2(133,129.88) v2(133,131.15) ; v2(133,132.42) v2(132.37,131.78) ; v2(132.62,133.05) v2(132.62,134.32) ; v2(136.05,125.43) v2(136.05,126.7) ; v2(135.42,126.07) v2(134.78,126.7) ; v2(135.42,127.34) 135.8,127.72 v2(135.8,127.97) ; v2(135.07,128.07) 134.53,127.52 v2(134.53,127.46) ; v2(133.87,126.83) 134.14,126.56 v2(134.14,126.06) ; v2(138.59,127.12) v2(138.59,126.32) ; v2(138.59,125.56) v2(138.59,124.8) ; v2(137.96,122.64) v2(137.96,123.53)
  Bottom w1.382: 24.17,119.59 26.08,121.5 ; 24.17,123.4 26.08,125.31 ; 24.17,127.21 27.98,123.4 ; 29.89,125.31 31.79,123.4 ; 29.89,121.5 27.98,119.59 ; 31.79,115.78 31.79,119.59
